# Altium PCB MiniScreen.PcbDoc
Units mil, origin at the board's own origin, x right, y up, seen from the top; angles counter-clockwise.
Board outline 1050 x 1125 mil, 2 copper layers (Top Layer, Bottom Layer); 65 components, 66 nets, 261 pads, 69 vias.
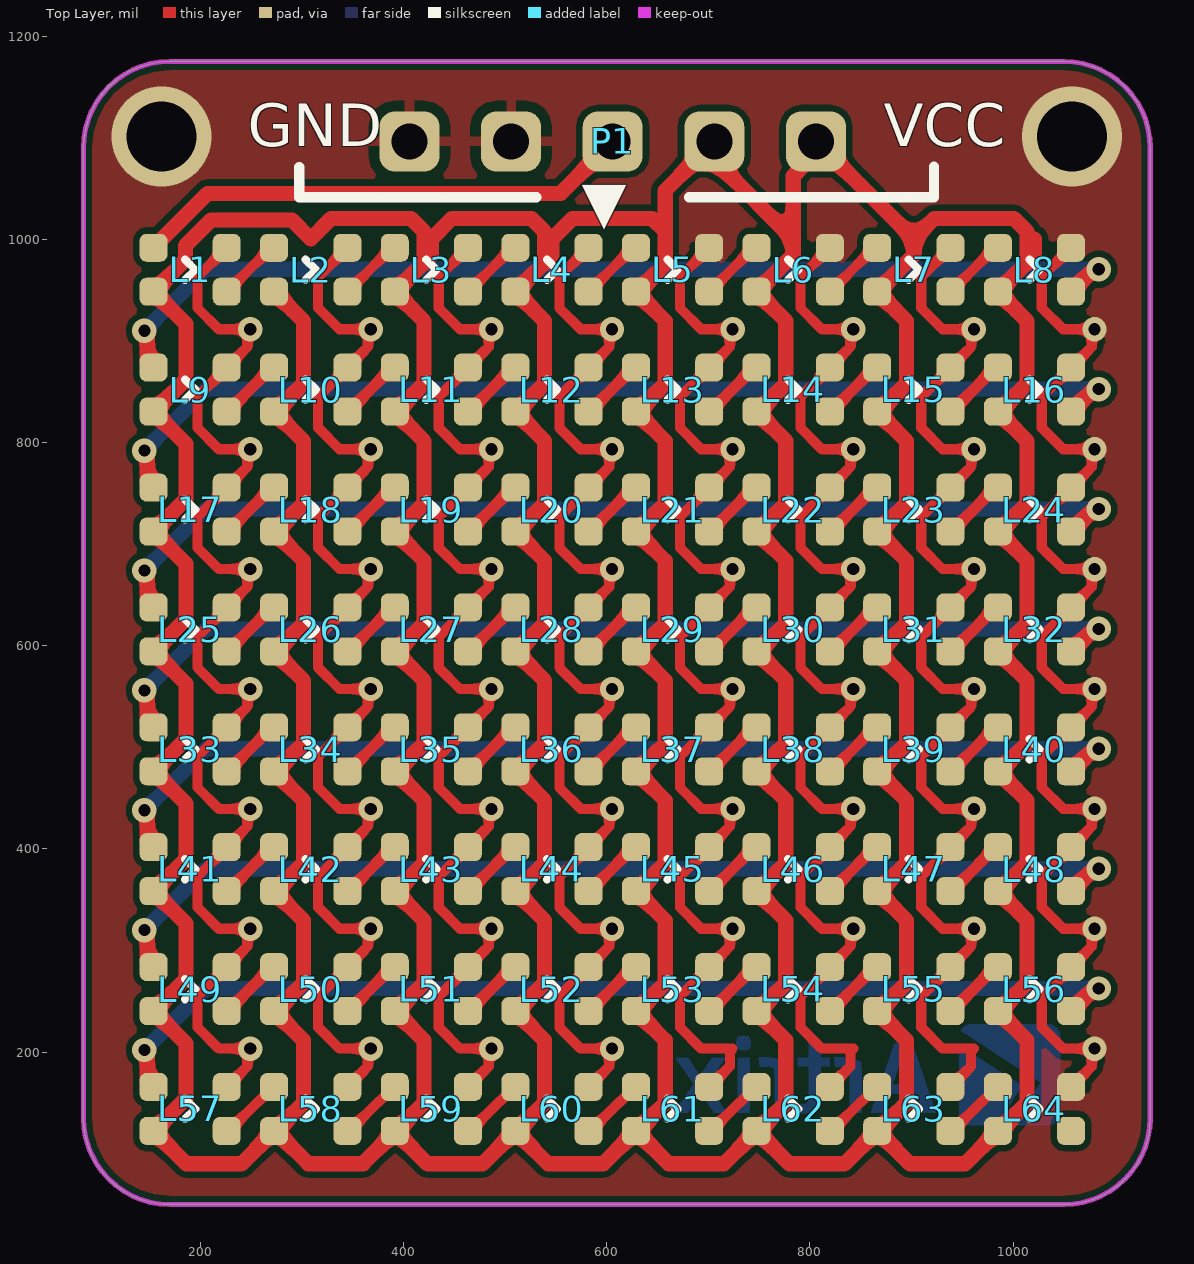
[diagram p0: Top Layer view]
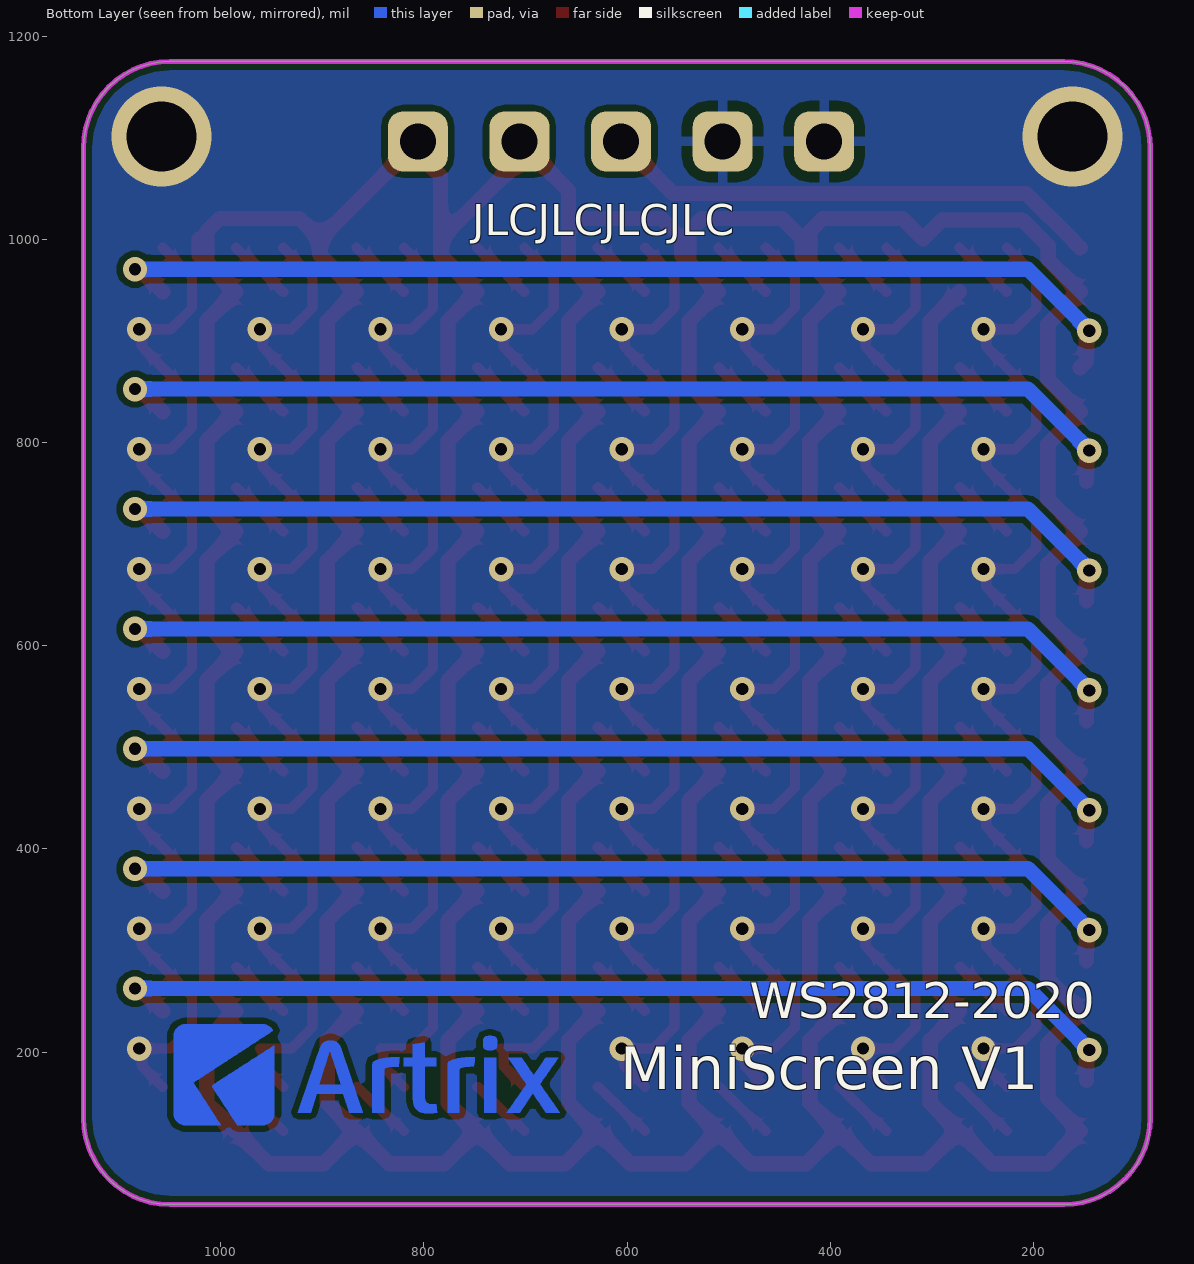
[diagram p1: Bottom Layer view, seen from below]
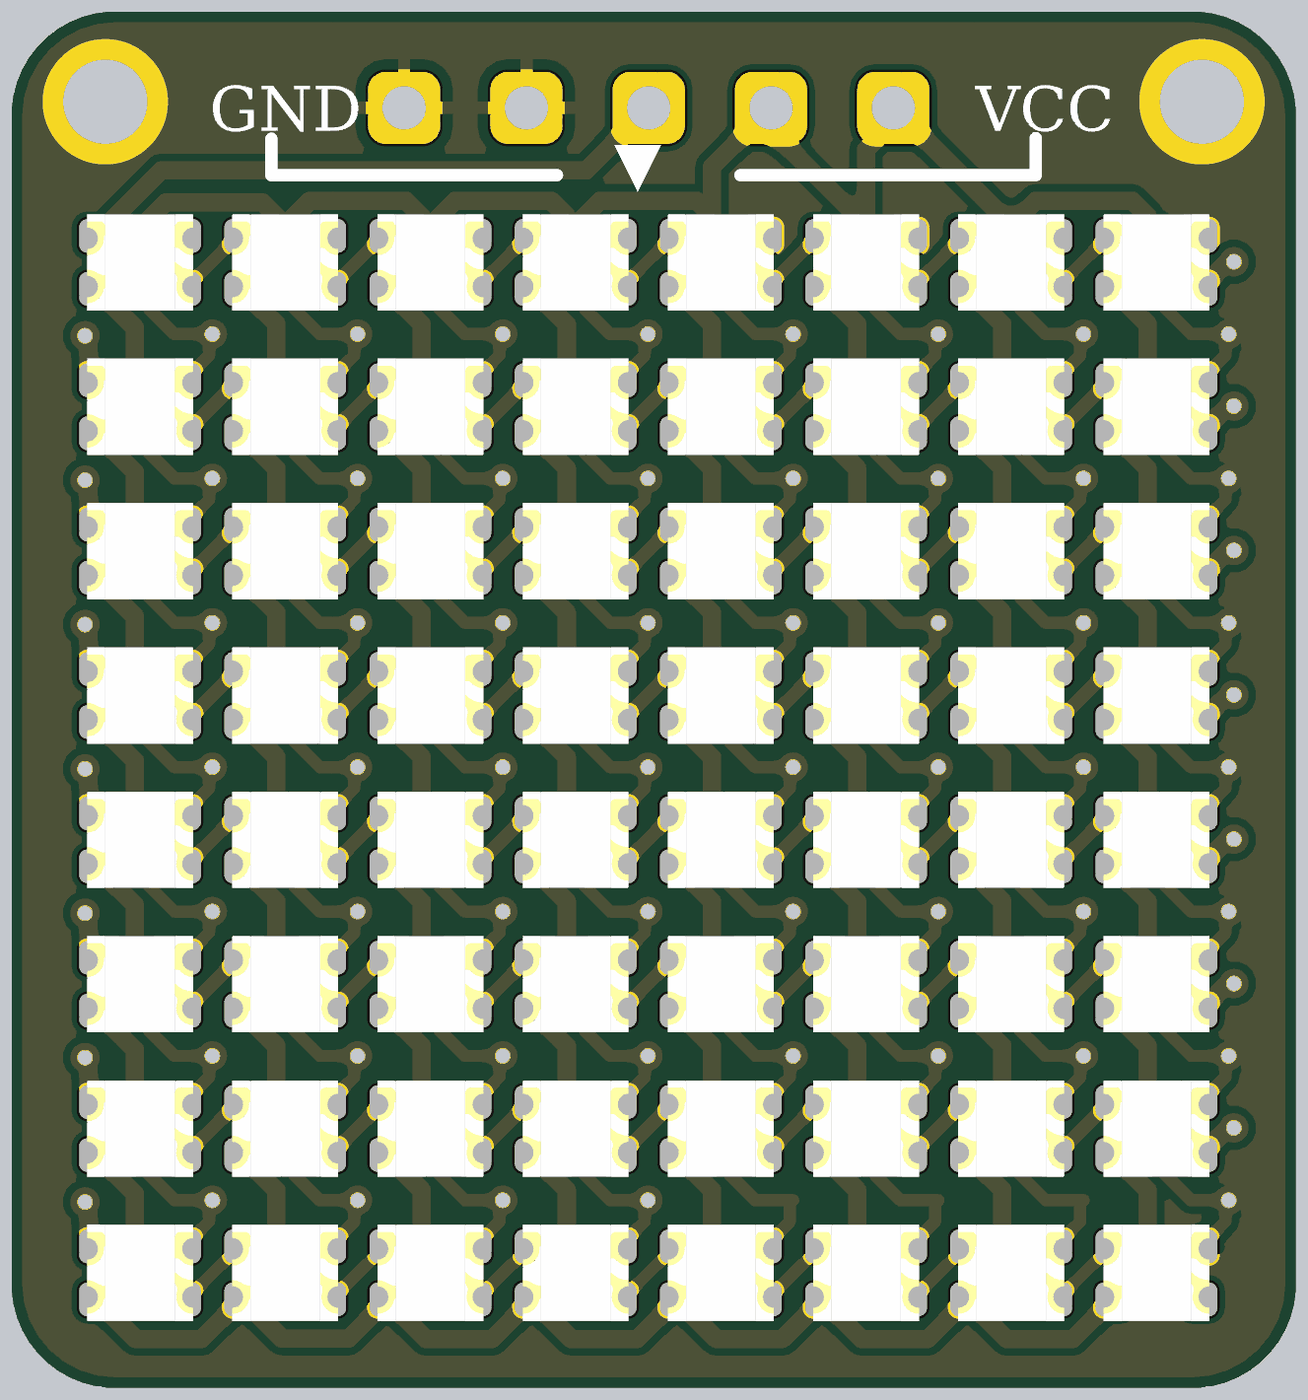
[diagram p2: 3D render of the assembled board from above, using the file's embedded part models]

## Layer stack, top to bottom
Top Solder: solder mask 0.4, Solder Resist, Dk 3.5
Top Layer: signal copper 1.4
Dielectric 1: dielectric 12.6, FR-4, Dk 4.8
Bottom Layer: signal copper 1.4
Bottom Solder: solder mask 0.4, Solder Resist, Dk 3.5

## Board outline
85,135 85,1090 cw(c170,1090) 170,1175 1050,1175 cw(c1050,1090) 1135,1090 1135,135 cw(c1050,135) 1050,50 170,50 cw(c170,135)

## Design rules (kind name [scope] priority, off if disabled: settings)
Clearance [All] p1: gap=6 ignorepadtopadclearanceinfootprint=FALSE
HoleToHoleClearance [All] p1: gap=6 allowstackedmicrovias=TRUE
MinimumSolderMaskSliver [All] p1: minsoldermaskwidth=0
PolygonConnect Artrix [All vs IsNamedPolygon('GND_L02_P000')] p1 off: connectstyle=Direct reliefconductorwidth=10 reliefentries=4 polygonreliefangle="90 Angle" airgapwidth=10
PolygonConnect [All] p2: connectstyle=Direct reliefconductorwidth=10 reliefentries=4 polygonreliefangle="90 Angle" airgapwidth=10
RoutingVias [All] p1: holewidth=12 width=24 viastyle="Through Hole" minholewidth=12 minwidth=12 maxholewidth=18 maxwidth=28
SilkToSilkClearance [All] p1: silktosilkclearance=2
SilkToSolderMaskClearance [IsPad] p1: minsilkscreentomaskgap=0 clearancetoexposedcopper=TRUE
SolderMaskExpansion [All] p1: expansion=2 istentingtop=FALSE
UnRoutedNet [All] p1: checkbadconnections=TRUE
Width Width_VCC5 [InNet('VCC5')] p1: maxlimit=15 minlimit=12 preferedwidth=15 minimp=50.000000 maximp=50.000000 favimp=50.000000
Width Width_3v3 [InNet('U-3v3')] p2: maxlimit=14 minlimit=12 preferedwidth=14 bottomlayer_minwidth=14 minimp=50.000000 maximp=50.000000 favimp=50.000000
Width Width_3v3_1 [InNet('U-3v3')] p3: maxlimit=14 minlimit=12 preferedwidth=14 bottomlayer_minwidth=14 minimp=50.000000 maximp=50.000000 favimp=50.000000
Width Width_VBatt [InNet('VBatt')] p4: maxlimit=14 minlimit=12 preferedwidth=14 bottomlayer_minwidth=14 minimp=50.000000 maximp=50.000000 favimp=50.000000
Width [All] p5: maxlimit=15 minlimit=10 preferedwidth=10 minimp=50.000000 maximp=50.000000 favimp=50.000000
25 further rules are at their usual default settings.

## Components (designator, comment, footprint, x,y, rotation, side; value= is the part's Value field where it differs from the comment)
L1 "WS2812-2020" WS2812-2020 190,969.99 r180 top
L2 "WS2812-2020" WS2812-2020 308.71,969.99 r180 top
L3 "WS2812-2020" WS2812-2020 427.43,969.99 r180 top
L4 "WS2812-2020" WS2812-2020 546.14,969.99 r180 top
L5 "WS2812-2020" WS2812-2020 664.86,969.99 r180 top
L6 "WS2812-2020" WS2812-2020 783.57,969.99 r180 top
L7 "WS2812-2020" WS2812-2020 902.28,969.99 r180 top
L8 "WS2812-2020" WS2812-2020 1021,969.99 r180 top
L9 "WS2812-2020" WS2812-2020 190,852 r180 top
L10 "WS2812-2020" WS2812-2020 308.71,852 r180 top
L11 "WS2812-2020" WS2812-2020 427.43,852 r180 top
L12 "WS2812-2020" WS2812-2020 546.14,852 r180 top
L13 "WS2812-2020" WS2812-2020 664.86,852 r180 top
L14 "WS2812-2020" WS2812-2020 783.57,852 r180 top
L15 "WS2812-2020" WS2812-2020 902.28,852 r180 top
L16 "WS2812-2020" WS2812-2020 1021,852 r180 top
L17 "WS2812-2020" WS2812-2020 190,734 r180 top
L18 "WS2812-2020" WS2812-2020 308.71,734 r180 top
L19 "WS2812-2020" WS2812-2020 427.43,734 r180 top
L20 "WS2812-2020" WS2812-2020 546.14,734 r180 top
L21 "WS2812-2020" WS2812-2020 664.86,734 r180 top
L22 "WS2812-2020" WS2812-2020 783.57,734 r180 top
L23 "WS2812-2020" WS2812-2020 902.28,734 r180 top
L24 "WS2812-2020" WS2812-2020 1021,734 r180 top
L25 "WS2812-2020" WS2812-2020 190,616 r180 top
L26 "WS2812-2020" WS2812-2020 308.71,616 r180 top
L27 "WS2812-2020" WS2812-2020 427.43,616 r180 top
L28 "WS2812-2020" WS2812-2020 546.14,616 r180 top
L29 "WS2812-2020" WS2812-2020 664.86,616 r180 top
L30 "WS2812-2020" WS2812-2020 783.57,616 r180 top
L31 "WS2812-2020" WS2812-2020 902.28,616 r180 top
L32 "WS2812-2020" WS2812-2020 1021,616 r180 top
L33 "WS2812-2020" WS2812-2020 190,498 r180 top
L34 "WS2812-2020" WS2812-2020 308.71,498 r180 top
L35 "WS2812-2020" WS2812-2020 427.43,498 r180 top
L36 "WS2812-2020" WS2812-2020 546.14,498 r180 top
L37 "WS2812-2020" WS2812-2020 664.86,498 r180 top
L38 "WS2812-2020" WS2812-2020 783.57,498 r180 top
L39 "WS2812-2020" WS2812-2020 902.28,498 r180 top
L40 "WS2812-2020" WS2812-2020 1021,498 r180 top
L41 "WS2812-2020" WS2812-2020 190,380 r180 top
L42 "WS2812-2020" WS2812-2020 308.71,380 r180 top
L43 "WS2812-2020" WS2812-2020 427.43,380 r180 top
L44 "WS2812-2020" WS2812-2020 546.14,380 r180 top
L45 "WS2812-2020" WS2812-2020 664.86,380 r180 top
L46 "WS2812-2020" WS2812-2020 783.57,380 r180 top
L47 "WS2812-2020" WS2812-2020 902.28,380 r180 top
L48 "WS2812-2020" WS2812-2020 1021,380 r180 top
L49 "WS2812-2020" WS2812-2020 190,262 r180 top
L50 "WS2812-2020" WS2812-2020 308.71,262 r180 top
L51 "WS2812-2020" WS2812-2020 427.43,262 r180 top
L52 "WS2812-2020" WS2812-2020 546.14,262 r180 top
L53 "WS2812-2020" WS2812-2020 664.86,262 r180 top
L54 "WS2812-2020" WS2812-2020 783.57,262 r180 top
L55 "WS2812-2020" WS2812-2020 902.28,262 r180 top
L56 "WS2812-2020" WS2812-2020 1021,262 r180 top
L57 "WS2812-2020" WS2812-2020 190,144 r180 top
L58 "WS2812-2020" WS2812-2020 308.71,144 r180 top
L59 "WS2812-2020" WS2812-2020 427.43,144 r180 top
L60 "WS2812-2020" WS2812-2020 546.14,144 r180 top
L61 "WS2812-2020" WS2812-2020 664.86,144 r180 top
L62 "WS2812-2020" WS2812-2020 783.57,144 r180 top
L63 "WS2812-2020" WS2812-2020 902.28,144 r180 top
L64 "WS2812-2020" WS2812-2020 1021,144 r180 top
P1 "Header 5" HDR1X5 405.89,1096.31 r0 top

## Footprints (in the part's own frame and the unit in brackets; to place one, negate y for a bottom-side part, rotate by r counter-clockwise, add the part's x,y. Pads: shape width x height; smd on the part's side, far side on the other; paste and mask are expansions set on the pad)
HDR1X5 [mm] "Connector; Header; 5 Position"
  rrect50% 1.5x1.5 hole 0.9: 1(0,0) 2(2.54,0) 3(5.08,0) 4(7.62,0) 5(10.16,0)
WS2812-2020 [mm] "RGB LED"
  rrect50% 0.7x0.7 smd: 1(-0.915,0.55) 2(-0.915,-0.55) 3(0.915,-0.55) 4(0.915,0.55)
  silkscreen extent -0.13,-0.25 0.13,0.25, body extent -1.1,-1 1.1,1, height 0.84

## Part data
L1 L2 L3 L4 L5 L6 L7 L8 L9 L10 L11 L12 L13 L14 L15 L16 L17 L18 L19 L20 L21 L22 L23 L24 L25 L26 L27 L28 L29 L30 L31 L32 L33 L34 L35 L36 L37 L38 L39 L40 L41 L42 L43 L44 L45 L46 L47 L48 L49 L50 L51 L52 L53 L54 L55 L56 L57 L58 L59 L60 L61 L62 L63 L64: "RGB LED", Package=None, Availability=Unavailable, MF="{'manufacturer': u'Worldsemi'}", MP=WS2812-2020, Price=None
P1: "Header, 5-Pin", LatestRevisionDate=17-Jul-2002, LatestRevisionNote="Re-released for DXP Platform.", Publisher="Altium Limited"

## Via types
v1: diameter 24/24 (per signal layer), hole 12, Top Layer to Bottom Layer, tented both sides, 53 vias
v2: diameter 24, hole 12, Top Layer to Bottom Layer, tented both sides, 14 vias
v3: diameter 98.43, hole 68.9, Top Layer to Bottom Layer, 2 vias

## Nets (pads, with @x,y where several pads share a name; then routed paths per layer and width w, separated by ;. In a path a pad name is that pad's centre, name@x,y a point inside that pad or via, vN(x,y) a via of type N, cw(c..) or ccw(c..) an arc to the next point about the centre after c; other vN are vias at no path point)
GND: L1.2 L2.2 L3.2 L4.2 L5.2 L6.2 L7.2 L8.2 L9.2 L10.2 L11.2 L12.2 L13.2 L14.2 L15.2 L16.2 L17.2 L18.2 L19.2 L20.2 L21.2 L22.2 L23.2 L24.2 L25.2 L26.2 L27.2 L28.2 L29.2 L30.2 L31.2 L32.2 L33.2 L34.2 L35.2 L36.2 L37.2 L38.2 L39.2 L40.2 L41.2 L42.2 L43.2 L44.2 L45.2 L46.2 L47.2 L48.2 L49.2 L50.2 L51.2 L52.2 L53.2 L54.2 L55.2 L56.2 L57.2 L58.2 L59.2 L60.2 L61.2 L62.2 L63.2 L64.2 P1.1 P1.2 | length 10024.4
  Top Layer w10: L57.2 246.4,186.03 246.4,200.71 v1(249.08,203.39) 218.25,203.39 197.24,224.39 197.24,254.87 L49.2 246.4,304.03 246.4,318.71 v1(249.08,321.39) 218.25,321.39 197.24,342.39 197.24,372.87 L41.2 246.4,422.04 246.4,436.71 v1(249.08,439.39) 218.25,439.39 197.24,460.39 197.24,490.87 L33.2 246.4,540.03 246.4,554.71 v1(249.08,557.39) 218.25,557.39 197.24,578.39 197.24,608.87 226.02,637.65 246.4,658.03 246.4,672.71 v1(249.08,675.39) 218.25,675.39 197.24,696.39 197.24,726.87 L17.2 246.4,776.03 246.4,790.71 v1(249.08,793.39) 218.25,793.39 197.24,814.39 197.24,844.87 L9.2 246.4,894.03 246.4,908.71 v1(249.08,911.38) 218.25,911.38 197.24,932.39 197.24,962.87 L1.2 ; L58.2 365.12,186.03 365.12,200.71 v1(367.8,203.39) 336.96,203.39 315.96,224.39 315.96,254.87 L50.2 365.12,304.03 365.12,318.71 v1(367.8,321.39) 336.96,321.39 315.96,342.39 315.96,372.87 L42.2 365.12,422.04 365.12,436.71 v1(367.8,439.39) 336.96,439.39 315.96,460.39 315.96,490.87 L34.2 365.12,540.03 365.12,554.71 v1(367.8,557.39) 336.96,557.39 315.96,578.39 315.96,608.87 344.74,637.65 365.12,658.03 365.12,672.71 v1(367.8,675.39) 336.96,675.39 315.96,696.39 315.96,726.87 L18.2 365.12,776.03 365.12,790.71 v1(367.8,793.39) 336.96,793.39 315.96,814.39 315.96,844.87 L10.2 365.12,894.03 365.12,908.71 v1(367.8,911.38) 336.96,911.38 315.96,932.39 315.96,962.87 L2.2 ; L59.2 483.83,186.03 483.83,200.71 v1(486.51,203.39) 455.67,203.39 434.67,224.39 434.67,254.87 L51.2 483.83,304.03 483.83,318.71 v1(486.51,321.39) 455.67,321.39 434.67,342.39 434.67,372.87 L43.2 483.83,422.04 483.83,436.71 v1(486.51,439.39) 455.67,439.39 434.67,460.39 434.67,490.87 L35.2 483.83,540.03 483.83,554.71 v1(486.51,557.39) 455.67,557.39 434.67,578.39 434.67,608.87 463.45,637.65 483.83,658.03 483.83,672.71 v1(486.51,675.39) 455.67,675.39 434.67,696.39 434.67,726.87 L19.2 483.83,776.03 483.83,790.71 v1(486.51,793.39) 455.67,793.39 434.67,814.39 434.67,844.87 L11.2 483.83,894.03 483.83,908.71 v1(486.51,911.38) 455.67,911.38 434.67,932.39 434.67,962.87 L3.2 ; L60.2 602.55,186.03 602.55,200.71 v1(605.22,203.39) 574.39,203.39 553.39,224.39 553.39,254.87 L52.2 602.55,304.03 602.55,318.71 v1(605.22,321.39) 574.39,321.39 553.39,342.39 553.39,372.87 L44.2 602.55,422.04 602.55,436.71 v1(605.22,439.39) 574.39,439.39 553.39,460.39 553.39,490.87 L36.2 602.55,540.03 602.55,554.71 v1(605.22,557.39) 574.39,557.39 553.39,578.39 553.39,608.87 582.16,637.65 602.55,658.03 602.55,672.71 v1(605.22,675.39) 574.39,675.39 553.39,696.39 553.39,726.87 L20.2 602.55,776.03 602.55,790.71 v1(605.22,793.39) 574.39,793.39 553.39,814.39 553.39,844.87 L12.2 602.55,894.03 602.55,908.71 v1(605.22,911.38) 574.39,911.38 553.39,932.39 553.39,962.87 L4.2 ; L61.2 721.26,186.03 721.26,200.71 723.94,203.39 693.1,203.39 672.1,224.39 672.1,254.87 L53.2 721.26,304.03 721.26,318.71 v1(723.94,321.39) 693.1,321.39 672.1,342.39 672.1,372.87 L45.2 721.26,422.04 721.26,436.71 v1(723.94,439.39) 693.1,439.39 672.1,460.39 672.1,490.87 L37.2 721.26,540.03 721.26,554.71 v1(723.94,557.39) 693.1,557.39 672.1,578.39 672.1,608.87 700.88,637.65 721.26,658.03 721.26,672.71 v1(723.94,675.39) 693.1,675.39 672.1,696.39 672.1,726.87 L21.2 721.26,776.03 721.26,790.71 v1(723.94,793.39) 693.1,793.39 672.1,814.39 672.1,844.87 L13.2 721.26,894.03 721.26,908.71 v1(723.94,911.38) 693.1,911.38 672.1,932.39 672.1,962.87 L5.2 ; L62.2 839.97,186.03 839.97,200.71 842.65,203.39 811.81,203.39 790.81,224.39 790.81,254.87 L54.2 839.97,304.03 839.97,318.71 v1(842.65,321.39) 811.81,321.39 790.81,342.39 790.81,372.87 L46.2 839.97,422.04 839.97,436.71 v1(842.65,439.39) 811.81,439.39 790.81,460.39 790.81,490.87 L38.2 839.97,540.03 839.97,554.71 v1(842.65,557.39) 811.81,557.39 790.81,578.39 790.81,608.87 819.59,637.65 839.97,658.03 839.97,672.71 v1(842.65,675.39) 811.81,675.39 790.81,696.39 790.81,726.87 L22.2 839.97,776.03 839.97,790.71 v1(842.65,793.39) 811.81,793.39 790.81,814.39 790.81,844.87 L14.2 839.97,894.03 839.97,908.71 v1(842.65,911.38) 811.81,911.38 790.81,932.39 790.81,962.87 L6.2 ; L63.2 958.69,186.03 958.69,200.71 961.37,203.39 930.53,203.39 909.53,224.39 909.53,254.87 L55.2 958.69,304.03 958.69,318.71 v1(961.37,321.39) 930.53,321.39 909.53,342.39 909.53,372.87 L47.2 958.69,422.04 958.69,436.71 v1(961.37,439.39) 930.53,439.39 909.53,460.39 909.53,490.87 L39.2 958.69,540.03 958.69,554.71 v1(961.37,557.39) 930.53,557.39 909.53,578.39 909.53,608.87 938.31,637.65 958.69,658.03 958.69,672.71 v1(961.37,675.39) 930.53,675.39 909.53,696.39 909.53,726.87 L23.2 958.69,776.03 958.69,790.71 v1(961.37,793.39) 930.53,793.39 909.53,814.39 909.53,844.87 L15.2 958.69,894.03 958.69,908.71 v1(961.37,911.38) 930.53,911.38 909.53,932.39 909.53,962.87 L7.2 ; L64.2 1077.4,186.03 1077.4,200.71 v1(1080.08,203.39) 1049.24,203.39 1028.24,224.39 1028.24,254.87 L56.2 1077.4,304.03 1077.4,318.71 v1(1080.08,321.39) 1049.24,321.39 1028.24,342.39 1028.24,372.87 L48.2 1077.4,422.04 1077.4,436.71 v1(1080.08,439.39) 1049.24,439.39 1028.24,460.39 1028.24,490.87 L40.2 1077.4,540.03 1077.4,554.71 v1(1080.08,557.39) 1049.24,557.39 1028.24,578.39 1028.24,608.87 1057.02,637.65 1077.4,658.03 1077.4,672.71 v1(1080.08,675.39) 1049.24,675.39 1028.24,696.39 1028.24,726.87 L24.2 1077.4,776.03 1077.4,790.71 v1(1080.08,793.39) 1049.24,793.39 1028.24,814.39 1028.24,844.87 L16.2 1077.4,894.03 1077.4,908.71 v1(1080.08,911.38) 1049.24,911.38 1028.24,932.39 1028.24,962.87 L8.2
  other v3: 161.58,1101.32 1058.2,1101.32
NetL1_1: L1.1 L2.3 | length 64.6
  Top Layer w10: L1.1@226.02,948.35 226.43,948.35 262.12,984.03 265.08,984.03 L2.3
NetL1_3: L1.3 P1.3 | length 495.4
  Top Layer w15: L1.3 160.26,997.93 160.26,998.19 207.21,1045.15 554.72,1045.15 P1.3
NetL2_1: L2.1 L3.3 | length 64.6
  Top Layer w10: L2.1@344.74,948.35 345.15,948.35 380.83,984.03 383.79,984.03 L3.3
NetL3_1: L3.1 L4.3 | length 64.6
  Top Layer w10: L3.1@463.45,948.35 463.86,948.35 499.54,984.03 502.51,984.03 L4.3
NetL4_1: L4.1 L5.3 | length 64.6
  Top Layer w10: L4.1@582.16,948.35 582.57,948.35 618.26,984.03 621.22,984.03 L5.3
NetL5_1: L5.1 L6.3 | length 64.6
  Top Layer w10: L5.1@700.88,948.35 701.29,948.35 736.97,984.03 739.93,984.03 L6.3
NetL6_1: L6.1 L7.3 | length 64.6
  Top Layer w10: L6.1@819.59,948.35 820,948.35 855.68,984.03 858.65,984.03 L7.3
NetL7_1: L7.1 L8.3 | length 64.6
  Top Layer w10: L7.1@938.31,948.35 938.71,948.35 974.4,984.03 977.36,984.03 L8.3
NetL8_1: L8.1 L9.3 | length 1040.9
  Top Layer w15: v2(145,910) 145,907.56 147.7,904.87 147.7,879.93 L9.3 ; L8.1 1077.47,968.79 1082.6,968.79 v2(1084.32,970.52)
  Bottom Layer w15: v2(145,910) 205.51,970.52 v2(1084.32,970.52)
NetL9_1: L9.1 L10.3 | length 129.2
  Top Layer w10: L9.1@226.02,830.35 226.43,830.35 262.12,866.04 265.08,866.04 L10.3 271.67,873.65 257.14,859.12 256.73,859.12 235.57,837.96 233.64,837.96 L9.1
NetL10_1: L10.1 L11.3 | length 129.2
  Top Layer w10: L10.1 352.35,837.96 354.28,837.96 375.45,859.12 375.85,859.12 390.38,873.65 L11.3 383.79,866.04 380.83,866.04 345.15,830.35 L10.1@344.74,830.35
NetL11_1: L11.1 L12.3 | length 129.2
  Top Layer w10: L11.1 471.07,837.96 473,837.96 494.16,859.12 494.57,859.12 509.1,873.65 L12.3 502.51,866.04 499.54,866.04 463.86,830.35 L11.1@463.45,830.35
NetL12_1: L12.1 L13.3 | length 129.2
  Top Layer w10: L12.1 589.78,837.96 591.71,837.96 612.87,859.12 613.28,859.12 627.81,873.65 L13.3 621.22,866.04 618.26,866.04 582.57,830.35 L12.1@582.16,830.35
NetL13_1: L13.1 L14.3 | length 129.2
  Top Layer w10: L13.1 708.49,837.96 710.42,837.96 731.59,859.12 731.99,859.12 746.52,873.65 L14.3 739.93,866.04 736.97,866.04 701.29,830.35 L13.1@700.88,830.35
NetL14_1: L14.1 L15.3 | length 129.2
  Top Layer w10: L14.1 827.21,837.96 829.14,837.96 850.3,859.12 850.71,859.12 865.24,873.65 L15.3 858.65,866.04 855.68,866.04 820,830.35 L14.1@819.59,830.35
NetL15_1: L15.1 L16.3 | length 129.2
  Top Layer w10: L15.1 945.92,837.96 947.85,837.96 969.02,859.12 969.42,859.12 983.95,873.65 L16.3 977.36,866.04 974.4,866.04 938.71,830.35 L15.1@938.31,830.35
NetL16_1: L16.1 L17.3 | length 1018.3
  Top Layer w15: L17.3@147.7,761.93 v2@147.7,786.87 ; L16.1 v2@1077.47,850.79
  Bottom Layer w15: v2(145,792) 205.51,852.52 v2(1084.32,852.52)
NetL17_1: L17.1 L18.3 | length 129.2
  Top Layer w10: L17.1@226.02,712.35 226.43,712.35 262.12,748.04 265.08,748.04 L18.3 271.67,755.65 257.14,741.12 256.73,741.12 235.57,719.96 233.64,719.96 L17.1
NetL18_1: L18.1 L19.3 | length 129.2
  Top Layer w10: L18.1 352.35,719.96 354.28,719.96 375.45,741.12 375.85,741.12 390.38,755.65 391.4,755.65 383.79,748.04 380.83,748.04 345.15,712.35 L18.1@344.74,712.35
NetL19_1: L19.1 L20.3 | length 129.2
  Top Layer w10: L19.1 471.07,719.96 473,719.96 494.16,741.12 494.57,741.12 509.1,755.65 510.12,755.65 502.51,748.04 499.54,748.04 463.86,712.35 L19.1@463.45,712.35
NetL20_1: L20.1 L21.3 | length 129.2
  Top Layer w10: L20.1 589.78,719.96 591.71,719.96 612.87,741.12 613.28,741.12 627.81,755.65 628.83,755.65 621.22,748.04 618.26,748.04 582.57,712.35 L20.1@582.16,712.35
NetL21_1: L21.1 L22.3 | length 129.2
  Top Layer w10: L21.1 708.49,719.96 710.42,719.96 731.59,741.12 731.99,741.12 746.52,755.65 747.55,755.65 739.93,748.04 736.97,748.04 701.29,712.35 L21.1@700.88,712.35
NetL22_1: L22.1 L23.3 | length 129.2
  Top Layer w10: L22.1 827.21,719.96 829.14,719.96 850.3,741.12 850.71,741.12 865.24,755.65 866.26,755.65 858.65,748.04 855.68,748.04 820,712.35 L22.1@819.59,712.35
NetL23_1: L23.1 L24.3 | length 129.2
  Top Layer w10: L23.1 945.92,719.96 947.85,719.96 969.02,741.12 969.42,741.12 983.95,755.65 984.97,755.65 977.36,748.04 974.4,748.04 938.71,712.35 L23.1@938.31,712.35
NetL24_1: L24.1 L25.3 | length 1018.3
  Top Layer w15: L25.3@147.7,643.93 v2@147.7,668.87 ; L24.1 v2@1077.47,732.79
  Bottom Layer w15: v2(145,674) 205.51,734.52 v2(1084.32,734.52)
NetL25_1: L25.1 L26.3 | length 129.2
  Top Layer w10: L25.1@226.02,594.36 226.43,594.36 262.12,630.04 265.08,630.04 272.69,637.65 271.67,637.65 257.14,623.12 256.73,623.12 235.57,601.96 233.64,601.96 L25.1
NetL26_1: L26.1 L27.3 | length 129.2
  Top Layer w10: L26.1 352.35,601.96 354.28,601.96 375.45,623.12 375.85,623.12 390.38,637.65 391.4,637.65 383.79,630.04 380.83,630.04 345.15,594.36 L26.1@344.74,594.36
NetL27_1: L27.1 L28.3 | length 129.2
  Top Layer w10: L27.1 471.07,601.96 473,601.96 494.16,623.12 494.57,623.12 509.1,637.65 510.12,637.65 502.51,630.04 499.54,630.04 463.86,594.36 L27.1@463.45,594.36
NetL28_1: L28.1 L29.3 | length 129.2
  Top Layer w10: L28.1 589.78,601.96 591.71,601.96 612.87,623.12 613.28,623.12 627.81,637.65 628.83,637.65 621.22,630.04 618.26,630.04 582.57,594.36 L28.1@582.16,594.36
NetL29_1: L29.1 L30.3 | length 129.2
  Top Layer w10: L29.1 708.49,601.96 710.42,601.96 731.59,623.12 731.99,623.12 746.52,637.65 747.55,637.65 739.93,630.04 736.97,630.04 701.29,594.36 L29.1@700.88,594.36
NetL30_1: L30.1 L31.3 | length 129.2
  Top Layer w10: L30.1 827.21,601.96 829.14,601.96 850.3,623.12 850.71,623.12 865.24,637.65 866.26,637.65 858.65,630.04 855.68,630.04 820,594.36 L30.1@819.59,594.36
NetL31_1: L31.1 L32.3 | length 129.2
  Top Layer w10: L31.1 945.92,601.96 947.85,601.96 969.02,623.12 969.42,623.12 983.95,637.65 984.97,637.65 977.36,630.04 974.4,630.04 938.71,594.36 L31.1@938.31,594.36
NetL32_1: L32.1 L33.3 | length 1018.3
  Top Layer w15: L33.3@147.7,525.93 v2@147.7,550.87 ; L32.1 v2@1077.47,614.79
  Bottom Layer w15: v2(145,556) 205.51,616.52 v2(1084.32,616.52)
NetL33_1: L33.1 L34.3 | length 129.2
  Top Layer w10: L33.1 233.64,483.96 235.57,483.96 256.73,505.13 257.14,505.13 271.67,519.65 L34.3 265.08,512.04 262.12,512.04 226.43,476.36 L33.1@226.02,476.36
NetL34_1: L34.1 L35.3 | length 129.2
  Top Layer w10: L34.1@344.74,476.36 345.15,476.36 380.83,512.04 383.79,512.04 L35.3 390.38,519.65 375.85,505.13 375.45,505.13 354.28,483.96 352.35,483.96 L34.1
NetL35_1: L35.1 L36.3 | length 129.2
  Top Layer w10: L35.1@463.45,476.36 463.86,476.36 499.54,512.04 502.51,512.04 L36.3 509.1,519.65 494.57,505.13 494.16,505.13 473,483.96 471.07,483.96 L35.1
NetL36_1: L36.1 L37.3 | length 129.2
  Top Layer w10: L36.1@582.16,476.36 582.57,476.36 618.26,512.04 621.22,512.04 L37.3 627.81,519.65 613.28,505.13 612.87,505.13 591.71,483.96 589.78,483.96 L36.1
NetL37_1: L37.1 L38.3 | length 129.2
  Top Layer w10: L37.1@700.88,476.36 701.29,476.36 736.97,512.04 739.93,512.04 L38.3 746.52,519.65 731.99,505.13 731.59,505.13 710.42,483.96 708.49,483.96 L37.1
NetL38_1: L38.1 L39.3 | length 129.2
  Top Layer w10: L38.1@819.59,476.36 820,476.36 855.68,512.04 858.65,512.04 L39.3 865.24,519.65 850.71,505.13 850.3,505.13 829.14,483.96 827.21,483.96 L38.1
NetL39_1: L39.1 L40.3 | length 129.2
  Top Layer w10: L39.1@938.31,476.36 938.71,476.36 974.4,512.04 977.36,512.04 L40.3 983.95,519.65 969.42,505.13 969.02,505.13 947.85,483.96 945.92,483.96 L39.1
NetL40_1: L40.1 L41.3 | length 1018.3
  Top Layer w15: L41.3@147.7,407.93 v2@147.7,432.87 ; L40.1 v2@1077.47,496.8
  Bottom Layer w15: v2(145,438) 205.51,498.52 v2(1084.32,498.52)
NetL41_1: L41.1 L42.3 | length 129.2
  Top Layer w10: L41.1@226.02,358.35 226.43,358.35 262.12,394.04 265.08,394.04 L42.3 271.67,401.65 257.14,387.13 256.73,387.13 235.57,365.96 233.64,365.96 L41.1
NetL42_1: L42.1 L43.3 | length 129.2
  Top Layer w10: L42.1 352.35,365.96 354.28,365.96 375.45,387.13 375.85,387.13 390.38,401.65 L43.3 383.79,394.04 380.83,394.04 345.15,358.35 L42.1@344.74,358.35
NetL43_1: L43.1 L44.3 | length 129.2
  Top Layer w10: L43.1 471.07,365.96 473,365.96 494.16,387.13 494.57,387.13 509.1,401.65 L44.3 502.51,394.04 499.54,394.04 463.86,358.35 L43.1@463.45,358.35
NetL44_1: L44.1 L45.3 | length 129.2
  Top Layer w10: L44.1 589.78,365.96 591.71,365.96 612.87,387.13 613.28,387.13 627.81,401.65 L45.3 621.22,394.04 618.26,394.04 582.57,358.35 L44.1@582.16,358.35
NetL45_1: L45.1 L46.3 | length 129.2
  Top Layer w10: L45.1 708.49,365.96 710.42,365.96 731.59,387.13 731.99,387.13 746.52,401.65 L46.3 739.93,394.04 736.97,394.04 701.29,358.35 L45.1@700.88,358.35
NetL46_1: L46.1 L47.3 | length 129.2
  Top Layer w10: L46.1 827.21,365.96 829.14,365.96 850.3,387.13 850.71,387.13 865.24,401.65 L47.3 858.65,394.04 855.68,394.04 820,358.35 L46.1@819.59,358.35
NetL47_1: L47.1 L48.3 | length 129.2
  Top Layer w10: L47.1 945.92,365.96 947.85,365.96 969.02,387.13 969.42,387.13 983.95,401.65 L48.3 977.36,394.04 974.4,394.04 938.71,358.35 L47.1@938.31,358.35
NetL48_1: L48.1 L49.3 | length 1018.3
  Top Layer w15: L49.3@147.7,289.93 v2@147.7,314.87 ; L48.1 v2@1077.47,378.8
  Bottom Layer w15: v2(145,320) 205.51,380.52 v2(1084.32,380.52)
NetL49_1: L49.1 L50.3 | length 129.2
  Top Layer w10: L49.1@226.02,240.35 226.43,240.35 262.12,276.04 265.08,276.04 L50.3 271.67,283.65 257.14,269.12 256.73,269.12 235.57,247.96 233.64,247.96 L49.1
NetL50_1: L50.1 L51.3 | length 129.2
  Top Layer w10: L50.1 352.35,247.96 354.28,247.96 375.45,269.12 375.85,269.12 390.38,283.65 L51.3 383.79,276.04 380.83,276.04 345.15,240.35 L50.1@344.74,240.35
NetL51_1: L51.1 L52.3 | length 129.2
  Top Layer w10: L51.1 471.07,247.96 473,247.96 494.16,269.12 494.57,269.12 509.1,283.65 L52.3 502.51,276.04 499.54,276.04 463.86,240.35 L51.1@463.45,240.35
NetL52_1: L52.1 L53.3 | length 129.2
  Top Layer w10: L52.1 589.78,247.96 591.71,247.96 612.87,269.12 613.28,269.12 627.81,283.65 L53.3 621.22,276.04 618.26,276.04 582.57,240.35 L52.1@582.16,240.35
NetL53_1: L53.1 L54.3 | length 129.2
  Top Layer w10: L53.1 708.49,247.96 710.42,247.96 731.59,269.12 731.99,269.12 746.52,283.65 L54.3 739.93,276.04 736.97,276.04 701.29,240.35 L53.1@700.88,240.35
NetL54_1: L54.1 L55.3 | length 129.2
  Top Layer w10: L54.1 827.21,247.96 829.14,247.96 850.3,269.12 850.71,269.12 865.24,283.65 L55.3 858.65,276.04 855.68,276.04 820,240.35 L54.1@819.59,240.35
NetL55_1: L55.1 L56.3 | length 129.2
  Top Layer w10: L55.1 945.92,247.96 947.85,247.96 969.02,269.12 969.42,269.12 983.95,283.65 L56.3 977.36,276.04 974.4,276.04 938.71,240.35 L55.1@938.31,240.35
NetL56_1: L56.1 L57.3 | length 1018.3
  Top Layer w15: L57.3@147.7,171.93 v2@147.7,196.87 ; L56.1 v2@1077.47,260.8
  Bottom Layer w15: v2(145,202) 205.51,262.52 v2(1084.32,262.52)
NetL57_1: L57.1 L58.3 | length 64.6
  Top Layer w10: L57.1 233.64,129.96 235.57,129.96 256.73,151.13 257.14,151.13 271.67,165.65 L58.3
NetL58_1: L58.1 L59.3 | length 64.6
  Top Layer w10: L58.1 352.35,129.96 354.28,129.96 375.45,151.13 375.85,151.13 390.38,165.65 L59.3
NetL59_1: L59.1 L60.3 | length 64.6
  Top Layer w10: L59.1 471.07,129.96 473,129.96 494.16,151.13 494.57,151.13 509.1,165.65 L60.3
NetL60_1: L60.1 L61.3 | length 64.6
  Top Layer w10: L60.1 589.78,129.96 591.71,129.96 612.87,151.13 613.28,151.13 627.81,165.65 L61.3
NetL61_1: L61.1 L62.3 | length 64.6
  Top Layer w10: L61.1 708.49,129.96 710.42,129.96 731.59,151.13 731.99,151.13 746.52,165.65 L62.3
NetL62_1: L62.1 L63.3 | length 64.6
  Top Layer w10: L62.1 827.21,129.96 829.14,129.96 850.3,151.13 850.71,151.13 865.24,165.65 L63.3
NetL63_1: L63.1 L64.3 | length 64.6
  Top Layer w10: L63.1 945.92,129.96 947.85,129.96 969.02,151.13 969.42,151.13 983.95,165.65 L64.3
VCC: L1.4 L2.4 L3.4 L4.4 L5.4 L6.4 L7.4 L8.4 L9.4 L10.4 L11.4 L12.4 L13.4 L14.4 L15.4 L16.4 L17.4 L18.4 L19.4 L20.4 L21.4 L22.4 L23.4 L24.4 L25.4 L26.4 L27.4 L28.4 L29.4 L30.4 L31.4 L32.4 L33.4 L34.4 L35.4 L36.4 L37.4 L38.4 L39.4 L40.4 L41.4 L42.4 L43.4 L44.4 L45.4 L46.4 L47.4 L48.4 L49.4 L50.4 L51.4 L52.4 L53.4 L54.4 L55.4 L56.4 L57.4 L58.4 L59.4 L60.4 L61.4 L62.4 L63.4 L64.4 P1.4 P1.5 | length 10683.4
  Top Layer w15: L58.4 240.34,90 186.32,90 L57.4 185.81,154.18 185.81,208.51 L49.4 185.81,272.18 185.81,326.51 L41.4 185.81,390.18 185.81,444.51 L33.4 185.81,508.18 185.81,562.51 L25.4 185.81,626.18 185.81,680.51 L17.4 185.81,744.18 185.81,798.51 L9.4 185.81,862.18 185.81,916.51 L1.4 185.47,979.84 185.47,993.71 210.69,1018.93 290.15,1018.93 308.71,1000.36 328.78,1020.43 407.36,1020.43 420.18,1007.6 420.18,975.69 ; L50.4 301.47,211.57 301.47,149.89 282.71,131.13 282.49,131.13 273.9,122.54 306.25,90.19 360.27,90.19 L59.4@392.62,122.54 ; L42.4 301.47,329.57 301.47,267.89 282.71,249.12 282.49,249.12 L50.4@273.9,240.54 ; L34.4 301.47,447.57 301.47,385.89 282.71,367.13 282.49,367.13 L42.4@273.9,358.54 ; L26.4 301.47,565.57 301.47,503.89 282.71,485.13 282.49,485.13 L34.4@273.9,476.54 ; L18.4 301.47,683.56 301.47,621.88 282.71,603.12 282.49,603.12 L26.4@273.9,594.53 ; L10.4 301.47,801.56 301.47,739.89 282.71,721.12 282.49,721.12 L18.4@273.9,712.53 ; L2.4 301.47,919.56 301.47,857.88 282.71,839.12 282.49,839.12 L10.4@273.9,830.53 ; L59.4 423.75,90 477.77,90 L60.4 542.46,90 596.49,90 L61.4 661.18,90 715.2,90 L62.4 779.89,90 833.92,90 L63.4 898.61,90 952.63,90 L64.4 ; L59.4@391.4,122.54 L59.4@392.62,122.54 ; L51.4 420.18,211.57 420.18,149.89 401.42,131.13 401.21,131.13 L59.4@392.62,122.54 ; L51.4@391.4,240.54 392.62,240.54 401.21,249.12 401.42,249.12 420.18,267.89 420.18,329.57 L43.4 ; L43.4@391.4,358.54 392.62,358.54 401.21,367.13 401.42,367.13 420.18,385.89 420.18,447.57 L35.4 ; L35.4@391.4,476.54 392.62,476.54 401.21,485.13 401.42,485.13 420.18,503.89 420.18,565.57 L27.4 ; L27.4@391.4,594.53 392.62,594.53 401.21,603.12 401.42,603.12 420.18,621.88 420.18,683.56 L19.4 ; L19.4@391.4,712.53 392.62,712.53 401.21,721.12 401.42,721.12 420.18,739.89 420.18,801.56 L11.4 ; L11.4@391.4,830.53 392.62,830.53 401.21,839.12 401.42,839.12 420.18,857.88 420.18,919.56 L3.4 427.43,984.37 427.43,1000.36 447.5,1020.43 526.08,1020.43 538.9,1007.6 538.9,975.69 ; L60.4@510.12,122.54 511.33,122.54 519.92,131.13 520.14,131.13 538.9,149.89 538.9,211.57 L52.4 ; L52.4@510.12,240.54 511.33,240.54 519.92,249.12 520.14,249.12 538.9,267.89 538.9,329.57 L44.4 ; L44.4@510.12,358.54 511.33,358.54 519.92,367.13 520.14,367.13 538.9,385.89 538.9,447.57 L36.4 ; L36.4@510.12,476.54 511.33,476.54 519.92,485.13 520.14,485.13 538.9,503.89 538.9,565.57 L28.4 ; L28.4@510.12,594.53 511.33,594.53 519.92,603.12 520.14,603.12 538.9,621.88 538.9,683.56 L20.4 ; L20.4@510.12,712.53 511.33,712.53 519.92,721.12 520.14,721.12 538.9,739.89 538.9,801.56 L12.4 ; L12.4@510.12,830.53 511.33,830.53 519.92,839.12 520.14,839.12 538.9,857.88 538.9,919.56 L4.4 546.14,984.37 546.14,1000.36 566.21,1020.43 644.79,1020.43 657.61,1007.6 ; L61.4@628.83,122.54 630.04,122.54 638.63,131.13 638.85,131.13 657.61,149.89 657.61,211.57 L53.4 ; L53.4@628.83,240.54 630.04,240.54 638.63,249.12 638.85,249.12 657.61,267.89 657.61,329.57 L45.4 ; L45.4@628.83,358.54 630.04,358.54 638.63,367.13 638.85,367.13 657.61,385.89 657.61,447.57 L37.4 ; L37.4@628.83,476.54 630.04,476.54 638.63,485.13 638.85,485.13 657.61,503.89 657.61,565.57 L29.4 ; L29.4@628.83,594.53 630.04,594.53 638.63,603.12 638.85,603.12 657.61,621.88 657.61,683.56 L21.4 ; L21.4@628.83,712.53 630.04,712.53 638.63,721.12 638.85,721.12 657.61,739.89 657.61,801.56 L13.4 ; L13.4@628.83,830.53 630.04,830.53 638.63,839.12 638.85,839.12 657.61,857.88 657.61,919.56 L5.4 636.45,955.95 637.88,955.95 657.61,975.69 657.61,1007.6 ; L62.4@747.55,122.54 748.76,122.54 757.35,131.13 757.56,131.13 776.32,149.89 776.32,211.57 L54.4 ; L54.4@747.55,240.54 748.76,240.54 757.35,249.12 757.56,249.12 776.32,267.89 776.32,329.57 L46.4 ; L46.4@747.55,358.54 748.76,358.54 757.35,367.13 757.56,367.13 776.32,385.89 776.32,447.57 L38.4 ; L38.4@747.55,476.54 748.76,476.54 757.35,485.13 757.56,485.13 776.32,503.89 776.32,565.57 L30.4 ; L30.4@747.55,594.53 748.76,594.53 757.35,603.12 757.56,603.12 776.32,621.88 776.32,683.56 L22.4 ; L22.4@747.55,712.53 748.76,712.53 757.35,721.12 757.56,721.12 776.32,739.89 776.32,801.56 L14.4 ; L14.4@747.55,830.53 748.76,830.53 757.35,839.12 757.56,839.12 776.32,857.88 776.32,919.56 L6.4 783.57,984.37 783.57,1000.36 ; L63.4@866.26,122.54 867.47,122.54 876.06,131.13 876.28,131.13 895.04,149.89 895.04,211.57 L55.4 ; L55.4@866.26,240.54 867.47,240.54 876.06,249.12 876.28,249.12 895.04,267.89 895.04,329.57 L47.4 ; L47.4@866.26,358.54 867.47,358.54 876.06,367.13 876.28,367.13 895.04,385.89 895.04,447.57 L39.4 ; L39.4@866.26,476.54 867.47,476.54 876.06,485.13 876.28,485.13 895.04,503.89 895.04,565.57 L31.4 ; L31.4@866.26,594.53 867.47,594.53 876.06,603.12 876.28,603.12 895.04,621.88 895.04,683.56 L23.4 ; L23.4@866.26,712.53 867.47,712.53 876.06,721.12 876.28,721.12 895.04,739.89 895.04,801.56 L15.4 ; L15.4@866.26,830.53 867.47,830.53 876.06,839.12 876.28,839.12 895.04,857.88 895.04,919.56 L7.4 902.28,984.37 902.28,1000.36 ; L64.4@984.97,122.54 986.19,122.54 994.78,131.13 994.99,131.13 1013.75,149.89 1013.75,211.57 L56.4 ; L56.4@984.97,240.54 986.19,240.54 994.78,249.12 994.99,249.12 1013.75,267.89 1013.75,329.57 L48.4 ; L48.4@984.97,358.54 986.19,358.54 994.78,367.13 994.99,367.13 1013.75,385.89 1013.75,447.57 L40.4 ; L40.4@984.97,476.54 986.19,476.54 994.78,485.13 994.99,485.13 1013.75,503.89 1013.75,565.57 L32.4 ; L32.4@984.97,594.53 986.19,594.53 994.78,603.12 994.99,603.12 1013.75,621.88 1013.75,683.56 L24.4 ; L24.4@984.97,712.53 986.19,712.53 994.78,721.12 994.99,721.12 1013.75,739.89 1013.75,801.56 L16.4 ; L16.4@984.97,830.53 986.19,830.53 994.78,839.12 994.99,839.12 1013.75,857.88 1013.75,919.56 L8.4 1021,984.37 1021,1000.36 ; 1013.75,975.69 1013.75,1007.6 1000.93,1020.43 922.35,1020.43 902.28,1000.36 ; 657.61,1007.6 657.61,1048.04 P1.4 714.32,1087.88 714.32,1069.61 783.57,1000.36 ; 783.57,1000.36 783.57,1062.2 805.89,1084.52 P1.5 806.33,1096.31 902.28,1000.36
pads on no net: L64.1

## Polygon pours and split planes (outlines as drawn)
GND on Top Layer "GND_L01_P001" (solid, remove dead copper, pour order 1): 135,1315 -55,1125 -55,70 75,-60 1140,-60 1280,80 1280,1125 1075,1330
GND on Bottom Layer "GND_L02_P000" (solid, remove dead copper, pour order 0): 135,1280 -55,1090 -55,35 75,-95 1140,-95 1280,45 1280,1090 1075,1295

## Keep-outs
Keep-Out Layer:
  the board outline again, w5

## Other copper
Bottom Layer:
  region net GND: 731.5,215.43 731.5,215.69 733.03,215.69 733.03,215.94 736.35,215.94 736.35,215.69 738.13,215.69 738.13,215.43 738.9,215.43 738.9,215.18 739.41,215.18 739.41,214.92 739.66,214.92 739.66,214.67 740.17,214.67 740.17,214.41 740.43,214.41 740.43,214.16 740.68,214.16 740.68,213.65 740.94,213.65 740.94,213.14 741.19,213.14 741.19,212.63 741.45,212.63 741.45,211.61 741.7,211.61 741.7,206 741.45,206 741.45,204.98 741.19,204.98 741.19,204.47 740.94,204.47 740.94,203.96 740.68,203.96 740.68,203.7 740.43,203.7 740.43,203.45 740.17,203.45 740.17,203.19 739.92,203.19 739.92,202.94 739.66,202.94 739.66,202.68 739.15,202.68 739.15,202.43 738.39,202.43 738.39,202.17 737.37,202.17 737.37,201.92 732.27,201.92 732.27,202.17 730.99,202.17 730.99,202.43 730.48,202.43 730.48,202.68 729.97,202.68 729.97,202.94 729.46,202.94 729.46,203.19 729.2,203.19 729.2,203.45 728.95,203.45 728.95,203.96 728.69,203.96 728.69,204.21 728.44,204.21 728.44,204.72 728.18,204.72 728.18,205.49 727.93,205.49 727.93,207.27 727.67,207.27 727.67,210.33 727.93,210.33 727.93,212.12 728.18,212.12 728.18,212.88 728.44,212.88 728.44,213.39 728.69,213.39 728.69,213.9 728.95,213.9 728.95,214.16 729.2,214.16 729.2,214.41 729.46,214.41 729.46,214.67 729.72,214.67 729.72,214.92 730.23,214.92 730.23,215.18 730.74,215.18 730.74,215.43 731.25,215.43
  region net GND: 533 vertices and 1 holes, not listed, extent 860.04,140.2 924.05,211.35
  region net GND: 839.12,166.72 839.12,182.28 838.87,182.28 838.87,183.81 838.61,183.81 838.61,184.06 838.1,184.06 838.1,184.32 837.34,184.32 837.34,184.57 836.57,184.57 836.57,184.83 835.55,184.83 835.55,185.08 834.28,185.08 834.28,185.34 832.49,185.34 832.49,185.59 824.84,185.59 824.84,186.36 824.59,186.36 824.59,188.91 824.33,188.91 824.33,191.46 824.08,191.46 824.08,194.01 823.82,194.01 823.82,194.52 824.08,194.52 824.08,194.77 833.26,194.77 833.26,194.52 835.81,194.52 835.81,194.26 837.59,194.26 837.59,194.01 839.12,194.01 839.12,193.75 840.4,193.75 840.4,193.5 841.67,193.5 841.67,193.24 842.69,193.24 842.69,192.99 843.46,192.99 843.46,192.73 844.48,192.73 844.48,192.48 845.25,192.48 845.25,192.22 845.76,192.22 845.76,191.97 846.52,191.97 846.52,191.71 847.29,191.71 847.29,191.46 847.8,191.46 847.8,191.2 848.31,191.2 848.31,190.95 848.82,190.95 848.82,190.69 849.33,190.69 849.33,190.44 849.84,190.44 849.84,190.18 850.35,190.18 850.35,187.89 850.6,187.89 850.6,182.28 850.86,182.28 850.86,140.45 850.6,140.45 850.6,140.2 839.38,140.2 839.38,140.45 839.12,140.45 839.12,166.47
  region net GND: 754.71,185.59 750.63,185.59 750.63,187.38 750.37,187.38 750.37,189.93 750.12,189.93 750.12,192.48 749.86,192.48 749.86,194.52 750.12,194.52 750.12,194.77 759.3,194.77 759.3,194.52 761.85,194.52 761.85,194.26 763.63,194.26 763.63,194.01 765.16,194.01 765.16,193.75 766.44,193.75 766.44,193.5 767.46,193.5 767.46,193.24 768.48,193.24 768.48,192.99 769.5,192.99 769.5,192.73 770.27,192.73 770.27,192.48 771.03,192.48 771.03,192.22 771.8,192.22 771.8,191.97 772.56,191.97 772.56,191.71 773.07,191.71 773.07,191.46 773.58,191.46 773.58,191.2 774.35,191.2 774.35,190.95 774.86,190.95 774.86,190.69 775.37,190.69 775.37,190.44 775.88,190.44 775.88,190.18 776.13,190.18 776.13,189.16 776.39,189.16 776.39,185.59 776.64,185.59 776.64,140.2 765.16,140.2 765.16,178.71 764.91,178.71 764.91,183.3 764.65,183.3 764.65,184.06 763.89,184.06 763.89,184.32 763.38,184.32 763.38,184.57 762.36,184.57 762.36,184.83 761.59,184.83 761.59,185.08 760.32,185.08 760.32,185.34 758.53,185.34 758.53,185.59 754.96,185.59
  region net GND: 728.95,188.91 728.95,194.26 740.68,194.26 740.68,140.2 729.2,140.2 729.2,140.45 728.95,140.45 728.95,188.65
  region net GND: 981 vertices and 0 holes, not listed, extent 666.21,140.2 718.24,194.26
  region net GND: 759 vertices and 0 holes, not listed, extent 948.53,128.21 1046.21,227.42
  region net GND: 555 vertices and 0 holes, not listed, extent 947,128.21 1008.21,206.25
  region net GND: 809.54,147.59 809.54,147.08 809.29,147.08 809.29,146.32 809.03,146.32 809.03,145.81 808.78,145.81 808.78,145.55 808.52,145.55 808.52,145.04 808.27,145.04 808.27,144.79 808.01,144.79 808.01,144.28 807.76,144.28 807.76,144.02 807.5,144.02 807.5,143.77 807.25,143.77 807.25,143.51 806.99,143.51 806.99,143.26 806.74,143.26 806.74,143 806.48,143 806.48,142.75 805.97,142.75 805.97,142.49 805.72,142.49 805.72,142.24 805.46,142.24 805.46,141.98 804.95,141.98 804.95,141.73 804.44,141.73 804.44,141.47 803.93,141.47 803.93,141.22 803.42,141.22 803.42,140.96 802.65,140.96 802.65,140.71 801.89,140.71 801.89,140.45 800.87,140.45 800.87,140.2 799.59,140.2 799.59,139.94 797.04,139.94 797.04,139.69 793.22,139.69 793.22,139.94 790.16,139.94 790.16,140.2 788.37,140.2 788.37,140.45 786.84,140.45 786.84,141.73 787.1,141.73 787.1,144.28 787.35,144.28 787.35,146.57 787.61,146.57 787.61,148.61 787.86,148.61 787.86,148.87 789.39,148.87 789.39,148.61 793.47,148.61 793.47,148.87 795,148.87 795,149.12 795.77,149.12 795.77,149.38 796.53,149.38 796.53,149.63 796.79,149.63 796.79,149.89 797.3,149.89 797.3,150.14 797.55,150.14 797.55,150.4 797.81,150.4 797.81,150.91 798.06,150.91 798.06,151.16 798.32,151.16 798.32,151.67 798.57,151.67 798.57,152.44 798.83,152.44 798.83,153.46 799.08,153.46 799.08,185.59 798.83,185.59 798.83,185.85 787.86,185.85 787.86,194.26 799.08,194.26 799.08,209.31 800.1,209.31 800.1,209.06 801.89,209.06 801.89,208.8 803.42,208.8 803.42,208.55 804.95,208.55 804.95,208.29 806.74,208.29 806.74,208.04 808.27,208.04 808.27,207.78 809.8,207.78 809.8,207.53 810.82,207.53 810.82,194.26 819.74,194.26 819.74,185.85 810.82,185.85 810.82,153.2 810.56,153.2 810.56,150.65 810.31,150.65 810.31,149.38 810.05,149.38 810.05,148.36 809.8,148.36 809.8,147.59

## Silkscreen, mask and mechanical layers (free items; w line width, h text height)
Top Overlay:
  lines w10: 297.37,1071.14 297.37,1041.31 380.89,1041.31 530.89,1041.31 ; 680.89,1041.31 830.89,1041.31 922.29,1041.31 922.29,1071.61
  text "GND" at 246.7,1077.57 h72
  text "VCC" at 872.88,1077.57 h72
  text "▲" at 619.51,1059.99 h72 r180
Bottom Overlay:
  text "JLCJLCJLCJLC" at 752.38,993.68 h52
  text "WS2812-2020" at 479.15,221.55 h60
  text "MiniScreen V1" at 606.44,149.63 h72
Bottom Solder:
  drawing of 9 lines, arcs and shapes, not listed
Mechanical 1:
  the board outline again, w5
  text "客编请居中对齐！！这行文字请删掉！！" at -89.89,1171.11 h120
Drill Drawing:
  lines w10: 172.29,1582.5 205.62,1599.17 238.96,1582.5 222.29,1615.83 238.96,1649.17 205.62,1632.5 172.29,1649.17 188.96,1615.83 172.29,1582.5 ; 172.29,1732.5 238.96,1732.5 238.96,1799.17 172.29,1799.17 172.29,1732.5 ; 172.29,1899.17 188.96,1899.17 205.62,1882.5 222.29,1899.17 238.96,1899.17 222.29,1915.83 238.96,1932.5 222.29,1932.5 205.62,1949.17 188.96,1932.5 172.29,1932.5 188.96,1915.83 172.29,1899.17 ; 172.29,2099.17 238.96,2099.17 205.62,2032.5 172.29,2099.17
  lines w15: 112.5,1537.5 10987.46,1537.5 ; 112.5,2137.5 10987.46,2137.5 ; 663.38,1387.5 663.38,2287.5 ; 1203.24,1387.5 1203.24,2287.5 ; 2302.92,1387.5 2302.92,2287.5 ; 2808.79,1387.5 2808.79,2287.5 ; 3542.59,1387.5 3542.59,2287.5 ; 5042.14,1387.5 5042.14,2287.5 ; 5631.99,1387.5 5631.99,2287.5 ; 6721.68,1387.5 6721.68,2287.5 ; 7421.49,1387.5 7421.49,2287.5 ; 8275.25,1387.5 8275.25,2287.5 ; 9608.86,1387.5 9608.86,2287.5 ; 112.5,1387.5 10987.46,1387.5 10987.46,2287.5 112.5,2287.5 112.5,1387.5
  text "Symbol" at 202.5,2182.5 h72
  text "Count" at 708.38,2182.5 h72
  text "Hole Size" at 1248.24,2182.5 h72
  text "Plated" at 2347.92,2182.5 h72
  text "Hole Type" at 2853.79,2182.5 h72
  text "Drill Layer Pair" at 3587.59,2182.5 h72
  text "Via/Pad" at 5087.14,2182.5 h72
  text "Pad Shape" at 5676.99,2182.5 h72
  text "Template" at 6766.68,2182.5 h72
  text "Description" at 7466.49,2182.5 h72
  text "Hole Tolerance (+)" at 8320.25,2182.5 h72
  text "Hole Tolerance (-)" at 9653.86,2182.5 h72
  text "1" at 708.38,2032.5 h60
  text "68.90mil (1.750mm)" at 1248.24,2032.5 h60
  text "PTH" at 2347.92,2032.5 h60
  text "Round" at 2853.79,2032.5 h60
  text "Top Layer - Bottom Layer" at 3587.59,2032.5 h60
  text "Via" at 5087.14,2032.5 h60
  text "Rounded" at 5676.99,2032.5 h60
  text "v250h175" at 6766.68,2032.5 h60
  text "1" at 708.38,1882.5 h60
  text "68.90mil (1.750mm)" at 1248.24,1882.5 h60
  text "PTH" at 2347.92,1882.5 h60
  text "Round" at 2853.79,1882.5 h60
  text "Top Layer - Bottom Layer" at 3587.59,1882.5 h60
  text "Via" at 5087.14,1882.5 h60
  text "Rounded" at 5676.99,1882.5 h60
  text "v250h175(1)" at 6766.68,1882.5 h60
  text "5" at 708.38,1732.5 h60
  text "35.43mil (0.900mm)" at 1248.24,1732.5 h60
  text "PTH" at 2347.92,1732.5 h60
  text "Round" at 2853.79,1732.5 h60
  text "Top Layer - Bottom Layer" at 3587.59,1732.5 h60
  text "Pad" at 5087.14,1732.5 h60
  text "Rounded Rectangle" at 5676.99,1732.5 h60
  text "(Mixed)" at 6766.68,1732.5 h60
  text "67" at 708.38,1582.5 h60
  text "12.00mil (0.305mm)" at 1248.24,1582.5 h60
  text "PTH" at 2347.92,1582.5 h60
  text "Round" at 2853.79,1582.5 h60
  text "Top Layer - Bottom Layer" at 3587.59,1582.5 h60
  text "Via" at 5087.14,1582.5 h60
  text "Rounded" at 5676.99,1582.5 h60
  text "(Mixed)" at 6766.68,1582.5 h60
  text "74 Total" at 708.38,1432.5 h60